# Altium PCB BDD_modul_ARM_v2.2_PCB.PcbDoc (continued)
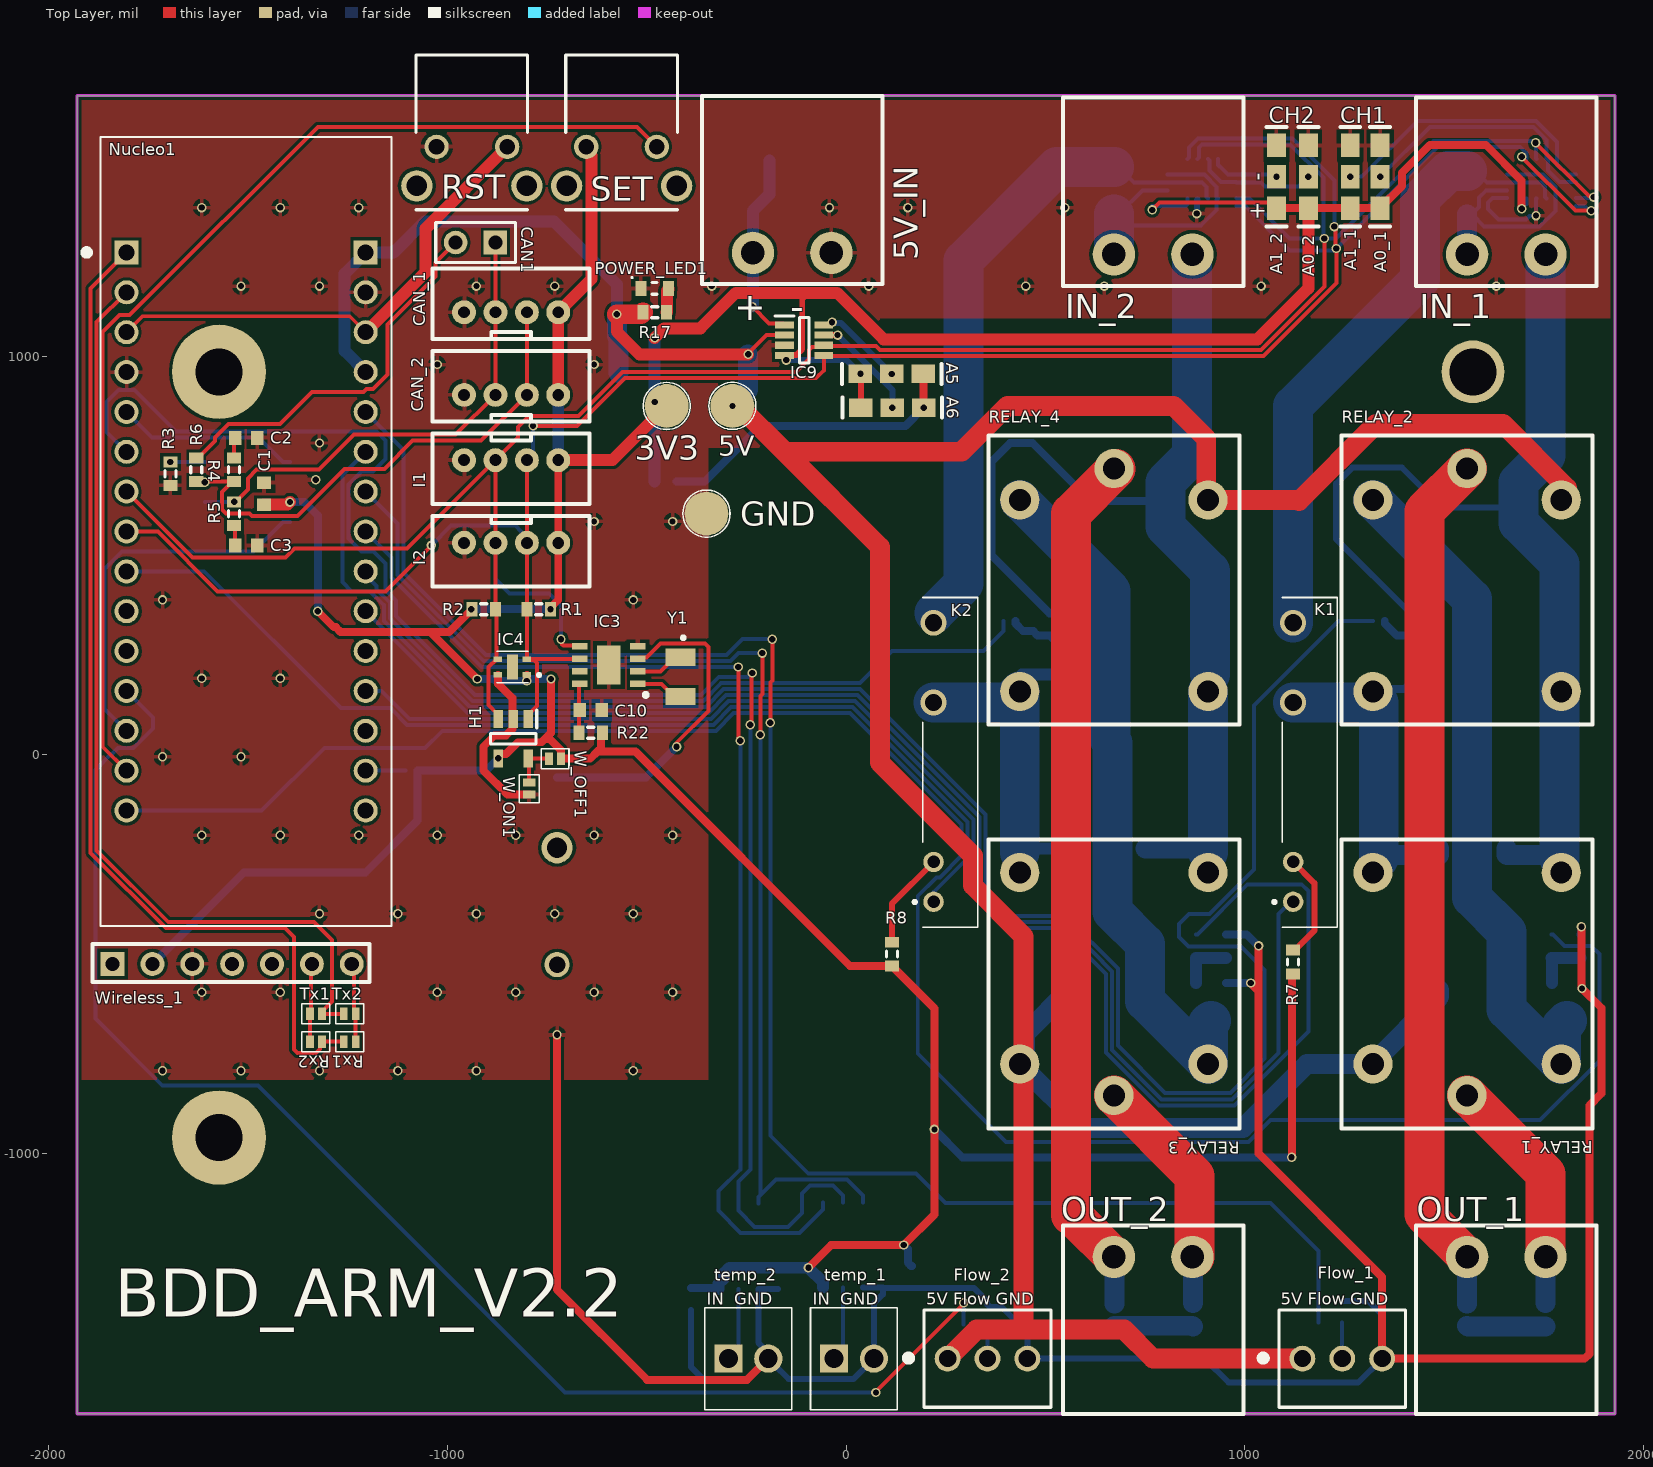
[diagram p0: Top Layer view]
## Part data
3V3 5V: library part 5015, "Undefined or Miscellaneous", Manufacturer_Name="Keystone Electronics", Mouser Part Number=534-5015, Allied_Number=70182998, Allied Price/Stock=https://www.alliedelec.com/keystone-electronics-5015/70182998/, Datasheet Link=http://www.keyelco.com/product-pdf.cfm?p=1353, Height=1.52mm, Manufacturer_Part_Number=5015, Mouser Price/Stock=https://www.mouser.com/Search/Refine.aspx?Keyword=534-5015
5V_IN IN_1 IN_2 OUT_1 OUT_2: library part CON_2CH_PLUG, "TBG-5.0-KW-2P"
A0_1 A0_2 A1_1 A1_2 A5 A6: "ADR PAD 3 PIN"
Batt_CR1: library part 1074, "Undefined or Miscellaneous", Manufacturer_Name="Keystone Electronics", Mouser Part Number=534-1074, Datasheet Link=https://componentsearchengine.com/Datasheets/1/1074.pdf, Height=18.3mm, Manufacturer_Part_Number=1074, Mouser Price/Stock=https://www.mouser.com/Search/Refine.aspx?Keyword=534-1074
C1 C2 C3 C10 C13 C14 C15 C16: library part "Cap Semi", "Capacitor (Semiconductor SIM Model)", LatestRevisionDate=29-May-2009, LatestRevisionNote="IPC-7351 Footprint Added.", PackageDescription="Chip Capacitor", PackageReference=C1206, Published=8-Jun-2000, Publisher="Altium Limited"
C4: library part TAJA106K004RNJ, "Capacitor Polarised", Manufacturer_Name=AVX, Mouser Part Number=581-TAJA106K004R, Datasheet Link=http://www.farnell.com/datasheets/1680476.pdf, Height=1.8mm, Manufacturer_Part_Number=TAJA106K004RNJ, Mouser Price/Stock=https://www.mouser.com/Search/Refine.aspx?Keyword=581-TAJA106K004R
C5 C6 C7 C8 C9: library part "Cap Semi", "Capacitor", LatestRevisionDate=29-May-2009, LatestRevisionNote="IPC-7351 Footprint Added.", PackageDescription="Chip Capacitor", PackageReference=C1206, Published=8-Jun-2000, Publisher="Altium Limited"
CAN1: "Header, 2-Pin", LatestRevisionDate=17-Jul-2002, LatestRevisionNote="Re-released for DXP Platform.", Publisher="Altium Limited"
CAN_1 CAN_2 I1 I2: "B4B-PH-K-S"
D1 D2 D3 D4: library part D_5A_20V
Flow_1 Flow_2: library part 1725669, "3 way PCB vertical mount terminal,2.54mm 3 way PCB vertical mount terminal,2.54mm", Manufacturer_Name="Phoenix Contact", RS Part Number=2204276, Allied_Number=70054336, Allied Price/Stock=http://www.alliedelec.com/phoenix-contact-1725669/70054336/, Arrow Part Number=1725669, Arrow Price/Stock=https://www.arrow.com/en/products/1725669/phoenix-contact, Datasheet Link=http://uk.rs-online.com/web/p/products/2204276, Manufacturer_Part_Number=1725669, RS Price/Stock=http://uk.rs-online.com/web/p/products/2204276
GND: "Test Point", Manufacturer_Name="Keystone Electronics", Mouser Part Number=534-5018, Allied_Number=71078148, Allied Price/Stock=https://www.alliedelec.com/keystone-electronics-5018/71078148/, Datasheet Link=https://www.keyelco.com/product-pdf.cfm?p=1356, Height=2.29mm, Manufacturer_Part_Number=5018, Mouser Price/Stock=https://www.mouser.com/Search/Refine.aspx?Keyword=534-5018
H1: "Hardware", Manufacturer_Name=Microchip, Mouser Part Number=556-AT24C01D-STUM-T, RS Part Number=8988614, Datasheet Link=https://componentsearchengine.com/Datasheets/1/AT24C01D-STUM-T.pdf, Height=1.45mm, Manufacturer_Part_Number=AT24C01D-STUM-T, Mouser Price/Stock=https://www.mouser.com/Search/Refine.aspx?Keyword=556-AT24C01D-STUM-T, RS Price/Stock=https://uk.rs-online.com/web/p/products/8988614
IC1: "Integrated Circuit", Manufacturer_Name=Microchip, Manufacturer_Part_Number=MCP2551-I/SN, Mouser Part Number=579-MCP2551-I/SN, RS Part Number=0402904P, Allied_Number=70045403, Allied Price/Stock=http://www.alliedelec.com/microchip-technology-inc-mcp2551-i-sn/70045403/, Datasheet Link=http://docs-emea.rs-online.com/webdocs/0a78/0900766b80a78cdb.pdf, Height=1.75mm, Mouser Price/Stock=https://www.mouser.com/Search/Refine.aspx?Keyword=579-MCP2551-I%2FSN, RS Price/Stock=http://uk.rs-online.com/web/p/products/0402904P
IC2: "Integrated Circuit", Manufacturer_Name=STMicroelectronics, Mouser Part Number=511-LD1117S33, RS Part Number=7140697P, Allied_Number=70390201, Allied Price/Stock=http://www.alliedelec.com/stmicroelectronics-ld1117s33tr/70390201/, Datasheet Link=http://www.st.com/st-web-ui/static/active/en/resource/technical/document/datasheet/CD00000544.pdf, Height=1.8mm, Manufacturer_Part_Number=LD1117S33TR, Mouser Price/Stock=https://www.mouser.com/Search/Refine.aspx?Keyword=511-LD1117S33, RS Price/Stock=http://uk.rs-online.com/web/p/products/7140697P
IC3: "Integrated Circuit", Manufacturer_Name=Nexperia, Manufacturer_Part_Number=PCF8523TK/1,118, Mouser Part Number=771-PCF8523TK/1118, Datasheet Link=https://www.arrow.com/en/products/pcf8523tk1118/nxp-semiconductors, Height=1mm, Mouser Price/Stock=https://www.mouser.com/Search/Refine.aspx?Keyword=771-PCF8523TK%2F1118
IC4: "Integrated Circuit", Manufacturer_Name=Sensirion, Mouser Part Number=403-SHTC3, Datasheet Link=https://www.glynshop.com/erp/owweb/Daten/Datenblaetter/Sensirion/SHTC3.pdf, Height=0mm, Manufacturer_Part_Number=SHTC3, Mouser Price/Stock=https://www.mouser.com/Search/Refine.aspx?Keyword=403-SHTC3
IC5 IC6 IC9: library part INA219BIDCNR, "Integrated Circuit", Manufacturer_Name="Texas Instruments", Mouser Part Number=595-INA219BIDCNR, Datasheet Link=http://www.ti.com/lit/ds/symlink/ina219.pdf, Height=1.45mm, Manufacturer_Part_Number=INA219BIDCNR, Mouser Price/Stock=https://www.mouser.com/Search/Refine.aspx?Keyword=595-INA219BIDCNR
IC7 IC8: "Integrated Circuit", Manufacturer_Name="Maxim Integrated", Mouser Part Number=N/A, Datasheet Link=http://datasheets.maximintegrated.com/en/ds/MAX6675.pdf, Height=1.75mm, Manufacturer_Part_Number=MAX6675ISA, Mouser Price/Stock=https://www.mouser.com/Search/Refine.aspx?Keyword=N%2FA
IC10 IC11: "Integrated Circuit", Manufacturer_Name="Texas Instruments", Mouser Part Number=595-INA226AIDGSR, Arrow Part Number=INA226AIDGSR, Arrow Price/Stock=https://www.arrow.com/en/products/ina226aidgsr/texas-instruments, Datasheet Link=https://componentsearchengine.com/Datasheets/1/INA226AIDGSR.pdf, Height=1.1mm, Manufacturer_Part_Number=INA226AIDGSR, Mouser Price/Stock=https://www.mouser.co.uk/ProductDetail/Texas-Instruments/INA226AIDGSR?qs=tQG3bEuiOZD4quG3egR36g%3D%3D
K1 K2: "Relay or Contactor", Manufacturer_Name=Panasonic, Mouser Part Number=769-AQZ102, Arrow Part Number=AQZ102, Arrow Price/Stock=https://www.arrow.com/en/products/aqz102/panasonic, Datasheet Link=https://industrial.panasonic.com/ac/cdn/e/control/relay/photomos/catalog/semi_eng_pwr1a_aqz10_20.pdf, Height=11mm, Manufacturer_Part_Number=AQZ102, Mouser Price/Stock=https://www.mouser.co.uk/ProductDetail/Panasonic-Industrial-Devices/AQZ102?qs=tR16lFwwUU%2FVYpsj8M3w%252BA%3D%3D
M1 M2: Supplier Part Number 1=1857299, Supplier 1=Farnell
Nucleo1: "STM32 Nucleo-32 development board with STM32F303K8T6 MCU, supports Arduino connectivity", Package=None, Availability=Unavailable, MF=STMicroelectronics, MP=NUCLEO-F303K8, Price=None, SnapEDA_Link=https://www.snapeda.com/parts/NUCLEO-F303K8/STMicroelectronics/view-part/?ref=snap
R1 R2 R3 R4 R5 R6 R7 R8 R9 R10 R11 R12 R13 R14 R15 R17 R22 R23 R24 R25 R26 R27 R28 R29 R30 R31 R32: library part Res3, "Resistor", LatestRevisionDate=29-May-2009, LatestRevisionNote="IPC-7351 Footprint Added.", PackageDescription="Chip Resistor", PackageReference=J1-0603, Published=8-Jun-2000, Publisher="Altium Limited"
RELAY_1 RELAY_2 RELAY_3 RELAY_4: "RM51-3011-85-1005"
RST SET: "Switch", Manufacturer_Name="TE Connectivity", Manufacturer_Part_Number=1825027-8, Mouser Part Number=506-1825027-8, RS Part Number=7182389P, Datasheet Link=http://www.te.com/commerce/DocumentDelivery/DDEController?Action=srchrtrv&DocNm=1825027&DocType=Customer+Drawing&DocLang=English, Mouser Price/Stock=https://www.mouser.com/Search/Refine.aspx?Keyword=506-1825027-8, RS Price/Stock=http://uk.rs-online.com/web/p/products/7182389P
temp_1 temp_2: "2 way PCB vertical mount terminal,2.54mm 2 way PCB vertical mount terminal,2.54mm", Manufacturer_Name="Phoenix Contact", RS Part Number=2204260, Allied_Number=70054335, Allied Price/Stock=http://www.alliedelec.com/phoenix-contact-1725656/70054335/, Arrow Part Number=1725656, Arrow Price/Stock=https://www.arrow.com/en/products/1725656/phoenix-contact, Datasheet Link=https://www.phoenixcontact.com/online/portal/gb?uri=pxc-oc-itemdetail:pid=1725656&library=gben&tab=1, Geometry.Height=8mm, Manufacturer_Part_Number=1725656, RS Price/Stock=http://uk.rs-online.com/web/p/products/2204260
Wireless_1: library part Wireless
Y1: "Crystal or Oscillator", Manufacturer_Name=ABRACON, Mouser Part Number=815-ABS0712032.768KT, RS Part Number=1712688P, Datasheet Link=http://www.abracon.com/Resonators/ABS07-120-32.768kHz-T.pdf, Manufacturer_Part_Number=ABS07-120-32.768KHZ-T, Mouser Price/Stock=https://www.mouser.com/Search/Refine.aspx?Keyword=815-ABS0712032.768KT, RS Price/Stock=http://uk.rs-online.com/web/p/products/1712688P

## Free pads (board coordinates)
  round 236.22 hole 118.11: 9(-1572.83,-960.63) 9(-1572.83,960.63)
  round 157.48 hole 118.11: 9(1572.83,960.63)

## Via types
v1: diameter 23.62, hole 15.75, Top Layer to Bottom Layer, tented both sides, 114 vias
v2: diameter 39.37, hole 31.5, Top Layer to Bottom Layer, tented both sides, 4 vias
v3: diameter 64.96, hole 43.31, Top Layer to Bottom Layer, tented both sides, 4 vias
v4: diameter 55.12, hole 51.18, Top Layer to Bottom Layer, tented both sides, 4 vias
v5: diameter 47.24, hole 39.37, Top Layer to Bottom Layer, tented both sides, 4 vias

## Nets (pads, with @x,y where several pads share a name; then routed paths per layer and width w, separated by ;. In a path a pad name is that pad's centre, name@x,y a point inside that pad or via, vN(x,y) a via of type N, cw(c..) or ccw(c..) an arc to the next point about the centre after c; other vN are vias at no path point)
3V3: 1.2 3V3.1 A0_1.3 A0_2.3 A1_1.3 A1_2.3 A5.3 A6.3 C1.1 C4.1 C5.1 C6.1 C7.1 C8.1 C15.2 C16.2 CAN_1.4 CAN_2.4 H1.4 I1.1 I2.1 IC1.3 IC2.2 IC4.1 IC5.4 IC6.4 IC7.4 IC8.4 IC9.4 IC10.6 IC11.6 R1.2 R2.2 R7.1 R8.1 R22.1 SET.2 W_OFF1.2 Wireless_1.2 | length 12592
  Top Layer w10: v1(-940,365) R2.2 ; R1.2@-741.57,361.06 v1(-741.57,365) ; v1(768.09,1366.83) 786.26,1385 1066.26,1385 A1_2.3
  Top Layer w15: v1(-150,990) -154.21,994.21 IC9.4 -152.85,1002.97 -124.22,1002.97 -109.78,1017.41 -109.78,1143.96 -95,1158.74 ; v1(36.26,955.63) 37.52,954.37 A6.3
  Top Layer w20: v1(-1325,360) -1285,320 -1280,320 -1267.99,307.99 -1042.99,307.99 ; R2.2 -938.43,361.06 -942.2,357.28 -946.14,357.28 -995.43,307.99 -1042.99,307.99 ; v1(-925,190) -1042.99,307.99 ; v1(-872.4,-9.21) -872.4,1.61 -852.89,1.61 -823.21,31.3 -763.7,31.3 -755,40 ; v1(-800.63,185) IC4.1 ; v1(-741.57,365) -741.57,368.94 -721.89,388.62 I2.1 I1.1 ; v1(-740,190) -740,55 -755,40 ; R22.1 -614.25,51.22 -614.25,17.46 -623.36,8.36 ; v1(-94.21,-1287.11) -37.11,-1230 v1(145,-1230) 221.85,-1153.15 v1(221.85,-940) 221.85,-636.38 122.72,-537.24 122.72,-533.31 118.94,-529.53 R8.1 9.53,-529.53 -528.36,8.36 -623.36,8.36 ; A1_2.3 A0_2.3 A1_1.3 A0_1.3 1395,1426.26 1395,1460 1465,1530 1605,1530 1695,1440 v1(1695,1370) ; v1(1117.91,-1010) 1118.61,-1009.31 1118.61,-552.77 R7.1 ; -755,40 -744.13,40 -715.16,11.03 -715.16,-9.84 W_OFF1.2 -641.72,-10 -623.36,8.36
  Top Layer w30: C1.1 -1459.25,628.19 -1400.69,628.19 v1(-1395,633.88) ; I1.1 -586.12,738.88 3V3.1 ; CAN_2.4 CAN_1.4 -638.74,1193.15 -638.74,1503.77 -651.57,1516.6 v5(-651.57,1525) ; v1(-480,1045.98) -456.57,1069.41 -365.59,1069.41 -276.26,1158.74 -95,1158.74 -22.38,1158.74 94.27,1042.09 1032.09,1042.09 1160,1170 A0_2.3
  Bottom Layer w10: v1(768.09,1366.83) 768.09,1376.42 IC11.6 852.01,1376.42 856.61,1381.02 IC6.4 ; v1(1695,1370) 1706.61,1381.61 IC5.4
  Bottom Layer w15: v1(-150,990) 1.89,990 v1(36.26,955.63)
  Bottom Layer w20: Wireless_1.2 -1510,-295 -1205,-295 -1075,-165 1.2 -903.19,-40 v1(-872.4,-9.21) ; v1(-1395,633.88) -1358.88,633.88 -1325,600 v1(-1325,360) ; v1(-940,365) v1(-741.57,365) ; v1(-925,190) -883.19,190 -878.19,185 v1(-800.63,185) -799.65,185 -794.65,190 v1(-740,190) ; C16.2 -322.56,-1337.44 IC8.4 ; v1(145,-1230) 155,-1240 155,-1272.44 157.28,-1274.72 157.28,-1276.69 163.03,-1282.44 C15.2 ; v1(221.85,-940) 291.85,-1010 v1(1117.91,-1010)
  Bottom Layer w30: I1.1 CAN_2.4 ; C8.1 C5.1 C6.1 C7.1 v1(-480,885) C4.1 v1(-480,1045.98) ; IC8.4 -320,-1327.18 -305.67,-1312.85 -305.67,-1300.51 -292.27,-1287.11 v1(-94.21,-1287.11) -57.36,-1323.96 IC7.4
5V: 5V.1 C9.1 D1.1 D3.1 Flow_1.1 Flow_2.1 IC2.3 IC9.2 Nucleo1.4.1 Nucleo1.4.4 R15.1 R17.1 RELAY_1.2 RELAY_2.2 RELAY_3.2 RELAY_4.2 | length 9501.4
  Top Layer w10: v1(-245.43,1004.57) -245.43,1006.55 -199.19,1052.8 IC9.2
  Top Layer w30: v1(-575,1105) -575,1061.26 -518.31,1004.57 v1(-245.43,1004.57)
  Top Layer w50: v1(-575,1105) -514.53,1105 R17.1 ; v1(-285,875) -268.76,875 -153.76,760 ; Flow_2.1 327.5,-1442.5 445.63,-1442.5 ; Flow_1.1 770.48,-1515 697.98,-1442.5 445.63,-1442.5 ; RELAY_2.2@1809.06,669.35 1648.23,830.17 1330.17,830.17 1136.26,636.26 1133.49,639.03 RELAY_4.2 903.81,643.61 903.81,793.09 821.72,875.17 405.17,875.17 290,760 -153.76,760 ; -153.76,760 85,521.24 85,-20 318.39,-253.39 318.39,-328.39 445.63,-455.63 445.63,-1442.5
  Bottom Layer w30: Nucleo1.4.4 -1205,960.25 -1257.99,1013.24 -1257.99,1207.01 Nucleo1.4.1 -1135,1260 -1057.6,1337.4 -732.4,1337.4 -575,1180 v1(-575,1105)
  Bottom Layer w50: v1(-575,1105) -575,1050.43 IC2.3 C9.1 ; v1(-285,875) -245.43,914.57 v1(-245.43,1004.57) ; RELAY_3.2 596.77,-936.77 995.79,-936.77 1156.61,-775.95 RELAY_1.2 1321.93,-773.19 1488.19,-606.93 D1.1 ; RELAY_3.2@448.98,-773.98 448.98,-700.79 565.02,-584.74 587.2,-606.93 D3.1
5V_mer: 5V_IN.2 "micro USB1.1" IC9.1 R15.2 | length 483.6
  Top Layer w10: v1(-235,1124.06) -192.83,1081.89 -157.72,1081.89 IC9.1
  Bottom Layer w30: v1(-235,1124.06) -233.43,1125.63 5V_IN.2 -233.43,1364.44 -192.32,1405.54 -192.32,1490.28
ADR0_1: A0_1.2 IC5.7 IC10.2 | length 643.9
  Bottom Layer w10: v1(1340,1450) 1465,1575 1724.91,1575 1757.8,1542.11 IC5.7 1761.65,1490.35 1761.65,1465.26 1790.53,1436.38 1830.71,1436.38 IC10.2
ADR0_2: A0_2.2 IC6.7 IC11.2 | length 305.7
  Bottom Layer w10: IC6.7 911.65,1490.35 911.65,1465.26 940.53,1436.38 979.09,1436.38 IC11.2 1040.86,1435.47 1051.02,1425.31 1135.31,1425.31 v1(1160,1450)
ADR0_3: A6.2 IC9.7 | length 273.8
  Top Layer w15: IC9.7 v1(-21.06,1052.8)
  Bottom Layer w15: v1(-21.06,1052.8) -21.06,1052.61 116.26,915.29 v1(116.26,870.63)
ADR1_1: A1_1.2 IC5.8 IC10.1 | length 714.6
  Bottom Layer w10: v1(1265,1450) 1293.74,1450 1433.74,1590 1731.12,1590 1783.39,1537.74 1783.39,1479.45 1787.24,1475.59 1789.53,1475.59 1809.96,1455.16 IC10.1
ADR1_2: A1_2.2 IC6.8 IC11.1 | length 173.6
  Bottom Layer w10: IC6.8 933.39,1479.45 937.24,1475.59 937.91,1475.59 958.35,1455.16 IC11.1 1071.16,1455.16 1076.31,1450 v1(1080,1450)
ADR1_3: A5.2 IC9.8 | length 227.8
  Top Layer w15: IC9.8 -41.02,1078.39 -35,1084.41 v1(-35,1085)
  Bottom Layer w15: v1(-35,1085) -33.35,1083.35 -13.17,1083.35 115,955.18 v1(115,955)
BDD1_Pac_+: IC5.1 IC10.8 IC10.10 IN_1.2 R13.2 | length 672.3
  Bottom Layer w10: R13.2 R13.2@1569.96,1355.94 ; IC10.8 1657.48,1414.88 1605.09,1414.88 1588.58,1398.37 1588.58,1374.57 R13.2@1569.96,1355.94 ; IC10.10 1749.11,1455.16 1779.53,1424.74 1779.53,1395.79 1779.53,1364.62 1740.22,1325.31 1600.59,1325.31 R13.2@1569.96,1355.94
  Bottom Layer w50: IN_1.2 R13.2
BDD1_Pac_-: IC5.2 IC10.9 K1.4 R13.1 | length 1588.2
  Bottom Layer w10: R13.1 1569.96,1474.06 1608.54,1435.47 IC10.9 1743.21,1435.47 1753.94,1424.74 1753.94,1399.65 IC5.2
  Bottom Layer w100: v3(1121.85,330.94) 1121.85,874.65 1440,1192.8 1440,1393 1511.05,1464.06 R13.1@1558.15,1464.06
BDD2_Pac_+: IC6.1 IC11.8 IC11.10 IN_2.2 R14.2 | length 730.6
  Bottom Layer w10: R14.2 700.79,1327.32 890.02,1327.32 929.53,1366.83 929.53,1391.93 IC6.1 929.53,1399.65 929.53,1424.74 899.11,1455.16 IC11.10 ; R14.2@683.98,1355.94 743.82,1415.79 IC11.8
  Bottom Layer w100: IN_2.2 R14.2
BDD2_Pac_-: IC6.2 IC11.9 K2.4 R14.1 | length 1671.2
  Bottom Layer w10: R14.1 683.98,1474.06 722.56,1435.47 IC11.9 893.21,1435.47 903.94,1424.74 903.94,1399.65 IC6.2
  Bottom Layer w100: K2.4@221.85,355.94 295,429.09 295,1240 529.06,1474.06 R14.1
  other v3: 219.76,330.94
BDD_1_DUTY_CYCLE: K1.1 Nucleo1.4.10 | length 3509.1
  Bottom Layer w10: Nucleo1.4.10 -949.95,104.95 -345.3,104.95 -300.56,149.68 28.56,149.68 335,-156.75 335,-348.67 406.33,-420 543.79,-420 642.95,-519.17 642.95,-519.8 666.85,-543.7 666.85,-740.35 791.5,-865 968.79,-865 1085,-748.79 1085,-400 1115.94,-369.06 v2(1121.85,-369.06)
BDD_1_V-: D2.2 IN_1.1 R27.2 RELAY_1.4 RELAY_2.3 to_GND1.1 | length 2697.3
  Bottom Layer w15: R27.2 1416.06,354.53 1229.59,541 1229.59,680 1269.59,720 1395,720 1495,620 1648.87,620 1687.28,581.59
  Bottom Layer w50: D2.2 1657.48,-250.97 1657.87,-251.36 1790,-251.36 1799.79,-251.36 RELAY_1.4@1790,-261.15
  Bottom Layer w100: IN_1.1 1755,751.11 1687.28,683.39 1687.28,581.59 1790,478.87 1790,-251.36 RELAY_1.4@1790,-261.15
BDD_2_DUTY_CYCLE: K2.1 Nucleo1.3.9 | length 2642.9
  Bottom Layer w10: Nucleo1.3.9 -1610,460 -1267.01,117.01 -1142.99,117.01 -1100.93,74.95 -332.87,74.95 -288.14,119.68 16.13,119.68 305,-169.18 305,-259.76 219.76,-345 v2(219.76,-369.06)
BDD_2_V-: D4.2 IN_2.1 R32.2 RELAY_3.4 RELAY_4.3 to_GND2.1 | length 2671.5
  Bottom Layer w20: R32.2 511.06,354.53 365,500.59 365,735 411.43,781.43 468.42,781.43 612.95,636.9 801.3,636.9
  Bottom Layer w50: D4.2 751.5,-235.08 751.89,-235.47 908.39,-235.47 917.6,-235.47 908.39,-244.69
  Bottom Layer w100: IN_2.1 867.81,1253.79 867.81,1135 867.81,749.9 801.3,683.39 801.3,636.9 801.3,572.38 913.07,460.6 RELAY_4.3@913.07,200.94 ; 908.39,-244.69 908.39,-235.47 RELAY_4.3
Button: Nucleo1.3.14 SET.1 | length 2749.9
  Top Layer w10: Nucleo1.3.14 -1865,20 -1865,1060.8 -1822.81,1102.99 -1797.01,1102.99 -1325,1575 -524.41,1575 v5(-474.41,1525)
CAN_RX: IC1.4 Nucleo1.3.13 | length 942.5
  Bottom Layer w10: Nucleo1.3.13 -1860,115 -1860,465.8 -1815.8,510 -1486.1,510 -1412.22,583.88 IC1.4
CAN_TX: IC1.1 Nucleo1.3.5 | length 462.2
  Bottom Layer w10: Nucleo1.3.5 -1741.03,796.03 -1474.38,796.03 -1412.22,733.88 IC1.1
CANH: CAN_1.3 CAN_2.3 IC1.7 R4.2 R6.2 | length 1259.6
  Top Layer w10: v1@-1608.54,685.47 R4.2@-1538.94,685.47 ; R4.2 R4.2@-1538.94,685.47 ; CAN_1.3 CAN_2.3 -915.42,787.99 -1087.01,787.99 -1157.99,717.01 -1257.99,717.01 -1376.18,598.82 -1490.38,598.82 -1496.57,605 -1555.18,605 -1565.59,615.42 -1565.59,658.82 R4.2@-1538.94,685.47
  other v1: -1608.54,683.88
CANL: CAN1.1 CAN_1.2 CAN_2.2 IC1.6 R5.2 | length 1239.5
  Top Layer w10: v1(-1535,634.53) -1531.06,634.53 -1500.76,664.83 -1500.76,693.47 -1479.23,715 -1322.56,715 -1234.57,802.99 -979.16,802.99 CAN_2.2 CAN_1.2 CAN1.1
  Bottom Layer w10: IC1.6 -1608.22,634.2 -1535.32,634.2 v1(-1535,634.53)
CS_Termoclánok: IC7.6 IC8.6 Nucleo1.3.6 | length 4215.3
  Top Layer w10: v1(-240,75) -237.5,77.5 -237.5,202.5 v1(-235,205)
  Bottom Layer w10: Nucleo1.3.6 -1855,810 -1855,885 -1825,915 -1785,915 -1681.03,811.03 -1177.24,811.03 -1155,788.79 -1155,741.72 -1186.72,710 -1215.8,710 -1247.99,677.81 -1247.99,542.19 -1215.8,510 -1185,510 -1155,480 -1155,413.23 -1129.2,387.43 -1129.2,347.84 -931.31,149.95 -363.94,149.95 -319.2,194.68 -245.32,194.68 v1(-235,205) ; v1(-240,75) -240,-1041 -270,-1071 IC8.6 -270,-1143.68 -229.33,-1184.35 -145.66,-1184.35 -110.58,-1149.27 -110.58,-1100.58 -90.33,-1080.33 -33.03,-1080.33 -7.36,-1106 IC7.6
Flow_1: Nucleo1.4.5 R9.2 R10.1 | length 4391.8
  Top Layer w10: v1(-190,80) -190,181.35 -185,186.35 v1(-185,290)
  Bottom Layer w10: Nucleo1.4.5 -1110,765 -1110,457.43 -902.57,250 -300,250 -260,290 v1(-185,290) ; v1(-190,80) -190,-955 -94.67,-1050.33 175.33,-1050.33 250,-1125 1065,-1125 1185.47,-1245.47 R9.2 R10.1
Flow_2: Nucleo1.3.12 R11.2 R12.1 | length 3650.7
  Top Layer w10: v1(75,-1600) 75,-1597.5 295,-1377.5 v1(295,-1375)
  Bottom Layer w10: Nucleo1.3.12 -1738.74,93.74 -1738.74,65.46 -1787.19,17.01 -1825.8,17.01 -1842.81,0 -1845,0 -1882.87,-37.87 -1882.87,-662.13 -1715.35,-829.65 -1475.35,-829.65 -705,-1600 v1(75,-1600) ; R12.1 v1(295,-1375)
GND: 5V_IN.1 "micro USB1.5" A0_1.1 A0_2.1 A1_1.1 A1_2.1 A5.1 A6.1 Batt_CR1.2 C1.2 C2.2 C3.2 C4.2 C5.2 C6.2 C7.2 C8.2 C9.2 C10.2 C15.1 C16.1 CAN_1.1 CAN_2.1 Flow_1.3 Flow_2.3 GND.1 H1.2 I1.4 I2.4 IC1.2 IC2.1 IC3.4 IC3.9 IC4.4 IC5.3 IC6.3 IC7.1 IC7.2 IC8.1 IC8.2 IC9.3 IC10.7 IC11.7 M1.2 M2.2 Nucleo1.3.4 Nucleo1.4.2 POWER_LED1.2 R3.2 R9.1 R11.1 R25.2 R30.2 RST.2 temp_1.2 temp_2.2 to_GND1.2 to_GND2.2 W_ON1.1 Wireless_1.3 | length 8619.4
  Top Layer w20: IC4.4 -872.6,199.17 -872.6,177.64 -836.81,141.85 -836.81,91.02 H1.2 -836.81,87.4 -836.81,65.08 -853.19,48.7 -881.3,48.7 -910,20 -910,-39.51 -849.51,-100 W_ON1.1 ; v1(-725,-702.83) -725,-1342.17 -498.86,-1568.31 -248.31,-1568.31 temp_2.2 ; A5.1 194.37,955 194.37,871.26 v1(195,870.63) ; v1(1015.26,-572.76) 1015.26,-573.74 1035,-593.48 ; v1(1035,-479.63) 1035,-593.48 ; v1(1845,-431.46) 1845,-585 v1(1846.46,-586.46) 1895,-635 1895,-850 1865,-880 1865,-1503.28 1853.28,-1515 Flow_1.3 1345,-1310 1035,-1000 1035,-593.48
  Top Layer w50: 5V_IN.1 -36.38,1258.86 5V_IN.1@-36.38,1236.38
  Bottom Layer w10: IC10.7 1621.36,1396.1 1610.57,1385.31 1610.57,1369.03 1636.78,1342.81 1706.26,1342.81 1714.44,1350.99 1729.45,1350.99 v1(1731.1,1352.64) 1731.65,1353.19 1731.65,1395.24 IC5.3
  Bottom Layer w15: C16.1 -389.45,-1535.55 -359.19,-1565.81 -245.81,-1565.81 temp_2.2 ; IC8.1 IC8.2 -220,-1474.88 -195,-1499.88 temp_2.2 ; IC7.2 IC7.1 ; v1(880,1357.64) 881.1,1358.74 881.1,1391.64 IC6.3@882.2,1392.74 ; R9.1 1310,-1370 1345,-1405 Flow_1.3 1285,-1575 960,-1575 900,-1515 Flow_2.3 455,-1450 390.22,-1385.22 360.33,-1385.22 354.06,-1378.94 R11.1 354.06,-1371.06 320.55,-1337.56 C15.1 93.42,-1337.56 IC7.1 ; temp_2.2 -180,-1515 -180,-1530 -144.19,-1565.81 19.19,-1565.81 temp_1.2 70,-1376.63 92.64,-1354 IC7.1
  Bottom Layer w20: C8.2 -355,685 -215,825 149.37,825 v1(195,870.63) ; M2.2 v1(1015.26,-572.76) ; R30.2 1005.02,-450.47 1034.18,-479.63 v1(1035,-479.63) ; R25.2 1844.31,-449.08 1844.31,-432.15 v1(1845,-431.46)
  other v1: -1714.65,-792.8 -1517.8,-792.8 -1320.94,-792.8 -1124.09,-792.8 -927.24,-792.8 -533.54,-792.8 -1616.22,-595.94 -1419.37,-595.94 -1025.67,-595.94 -828.82,-595.94 -631.97,-595.94 -435.12,-595.94 -1320.94,-399.09 -1124.09,-399.09 -927.24,-399.09 -730.39,-399.09 -533.54,-399.09 -1616.22,-202.24 -1419.37,-202.24 -1222.52,-202.24 -1025.67,-202.24 -828.82,-202.24 -631.97,-202.24 -435.12,-202.24 -1714.65,-5.39 -1517.8,-5.39 -1616.22,191.46 -1419.37,191.46 -1714.65,388.31 -533.54,388.31 -631.97,585.16 -435.12,585.16 -1330,690 -1320.94,782.01 -1025.67,978.86 -631.97,978.86 -1517.8,1175.71 -1320.94,1175.71 -927.24,1175.71 -730.39,1175.71 -336.69,1175.71 57.01,1175.71 450.71,1175.71 647.56,1175.71 1041.26,1175.71 1631.81,1175.71 -1616.22,1372.56 -1419.37,1372.56 -1222.52,1372.56 -41.42,1372.56 155.43,1372.56 549.13,1372.56
  other v5: -1027.17,1525
IN+_BDD_1: D2.1 K1.3 R26.1 RELAY_1.3 RELAY_2.4 | length 943.6
  Bottom Layer w20: RELAY_2.4 1327.54,164.33 1401.14,164.33 1437.28,200.47 R26.1
  Bottom Layer w50: RELAY_1.3@1336.61,-260.63 1345.88,-251.36 1487.79,-251.36 1488.19,-250.97 D2.1
  Bottom Layer w100: v3(1121.85,130.94) RELAY_2.4@1321.93,130.94 ; RELAY_1.3@1336.61,-260.63 1336.61,-90.94 RELAY_2.4@1336.61,130.94
IN+_BDD_2: D4.1 K2.3 R31.1 RELAY_3.3 RELAY_4.4 | length 901.9
  Bottom Layer w30: 435.94,-245.63 446.1,-235.47 581.73,-235.47 D4.1 ; RELAY_4.4@440.87,200.71 559.76,200.71 R31.1
  Bottom Layer w100: v3(219.76,130.94) 408.17,130.94 RELAY_4.4 435.94,-245.63
Measuring_voltage_1: 7.2 Nucleo1.4.6 | length 5062.9
  Bottom Layer w10: Nucleo1.4.6 -1262.99,702.01 -1262.99,432.99 -1240,410 -1194.2,410 -1159.2,375 -1159.2,335.41 -943.74,119.95 -351.51,119.95 -306.78,164.68 34.77,164.68 350,-150.54 350,-342.46 412.54,-405 550,-405 681.85,-536.85 681.85,-729.88 800.46,-848.49 964.08,-848.49 1050,-762.57 1050,-540 991.11,-481.11 858.89,-481.11 835,-457.22 835,-424.31 860.21,-399.09 912.05,-399.09 1023.02,-288.13 1023.02,123.02 1235,335 7.2
Measuring_voltage_2: 8.2 Nucleo1.4.9 | length 1865.4
  Bottom Layer w10: Nucleo1.4.9 -1205,450.22 -1177.99,423.21 -1177.99,415 -1144.2,381.21 -1144.2,341.63 -937.52,134.95 -357.72,134.95 -312.99,179.68 34.68,179.68 115.75,260.75 345,260.75 395,310.75 8.2
MISO_term: IC7.7 IC8.7 Nucleo1.4.7 | length 2948.2
  Top Layer w10: v1(-215,50) -215,147.13 -210,152.13 v1(-210,255)
  Bottom Layer w10: Nucleo1.4.7 -1125,580 -1125,451.21 -908.79,235 -289.91,235 -269.91,255 v1(-210,255) ; IC8.7 -220,-1109.23 IC8.7@-215,-1104.23 ; v1(-215,50) IC8.7@-215,-1104.23 ; IC7.7 42.64,-1106 1.97,-1065.33 -176.1,-1065.33 IC8.7@-215,-1104.23
NC: Nucleo1.3.10 Nucleo1.3.11
Net1_1: 1.1 Nucleo1.4.14 | length 100
  Bottom Layer w10: Nucleo1.4.14 1.1
Net7_1: 7.1 R26.2 R27.1 | length 167.9
  Bottom Layer w20: 7.1 1351.61,329.41 1381.77,299.25 1416.22,299.25 R27.1 1423.94,295.47 1456.1,263.31 1481.22,263.31 R26.2
Net8_1: 8.1 R31.2 R32.1 | length 163.8
  Bottom Layer w20: 8.1 425,329.41 444.41,310 470,310 480.75,299.25 511.22,299.25 R32.1 550.47,260 R31.2@554.41,260
NetBatt_CR1_1: Batt_CR1.1 IC3.3 | length 811.6
  Top Layer w10: IC3.3 -519.29,243.62 -500.39,243.62 -465.28,278.74 -353.74,278.74 -345,270 -345,110 -425,30 v1(-425,20)
  Bottom Layer w20: Batt_CR1.1 -502.17,-57.17 v1(-425,20)
NetC2_1: C2.1 R4.1 | length 51.5
  Top Layer w10: R4.1 -1535,792.56 C2.1
NetC3_1: C3.1 R5.1 | length 51.5
  Top Layer w10: R5.1 -1532.56,573.03 C3.1
NetC10_1: C10.1 IC3.8 R22.2 | length 123.5
  Top Layer w10: R22.2 -669.53,176.06 IC3.8
NetC13_1: C13.1 R23.2 | length 197.7
  Bottom Layer w50: C13.1 1560.12,-1434.53 R23.2
NetC14_1: C14.1 R28.2 | length 197.7
  Bottom Layer w50: C14.1 868.31,-1432.56 R28.2
NetCAN1_2: CAN1.2 R6.1 | length 973.4
  Top Layer w10: R6.1 -1626.06,744.53 -1583.43,787.16 -1583.43,795.8 -1549.58,829.65 -1419.97,829.65 -1339.62,910 -1210,910 -1202.99,917.01 -1187.19,917.01 -1149.82,954.38 -1149.82,1079.82 -1030,1199.64 -1030,1234.37 CAN1.2
NetFlow_1_2: Flow_1.2 R10.2 | length 90.2
  Bottom Layer w10: R10.2 1244.76,-1425.24 1244.76,-1514.76 Flow_1.2
NetFlow_2_2: Flow_2.2 R12.2 | length 85.4
  Bottom Layer w10: R12.2 354.53,-1430.47 354.53,-1514.53 Flow_2.2
NetIC1_8: IC1.8 R3.1 | length 86.7
  Bottom Layer w10: v1(-1695,734.53) -1694.68,734.2 -1608.87,734.2 IC1.8
NetIC3_1: IC3.1 Y1.2 | length 120.4
  Top Layer w10: IC3.1 -462.72,177.76 -430.75,145.79 Y1.2
NetIC3_2: IC3.2 Y1.1 | length 121.6
  Top Layer w10: IC3.2 -465.71,209.25 -430.75,244.21 Y1.1
NetIC7_3: IC7.3 temp_1.1 | length 187.6
  Bottom Layer w10: temp_1.1 -7.36,-1492.36 IC7.3
NetIC8_3: IC8.3 temp_2.1 | length 185.4
  Bottom Layer w10: temp_2.1 -270,-1490 IC8.3
NetK1_2: K1.2 R7.2 | length 267.8
  Top Layer w15: R7.2 1125.79,-490.47 1175,-441.26 1175,-322.2 v2(1121.85,-269.06)
NetK2_2: K2.2 R8.2 | length 244.8
  Top Layer w15: R8.2 115,-373.82 v2(219.76,-269.06)
NetM1_1: M1.1 R24.2 R25.1 | length 136.8
  Bottom Layer w30: M1.1 1770.83,-571.93 1770.83,-510.35 R24.2 R25.1
NetM2_1: M2.1 R29.2 R30.1 | length 138
  Bottom Layer w30: M2.1 R29.2 R30.1
NetPOWER_LED1_1: POWER_LED1.1 R17.2 | length 62
  Top Layer w30: R17.2 -449.25,1111.22 -449.25,1163.82 -445.55,1167.52 POWER_LED1.1
NetRx1_1: Rx1.1 Tx2.2 Wireless_1.7 | length 199.1
  Top Layer w10: Wireless_1.7 -1234.84,-530.16 -1234.84,-645.16 Tx2.2 Rx1.1
NetRx2_2: Rx2.2 Tx1.1 Wireless_1.6 | length 197.1
  Top Layer w10: Rx2.2 Tx1.1 -1342.5,-647.5 -1342.5,-527.5 Wireless_1.6
NRST: Nucleo1.3.3 Nucleo1.4.3 RST.1 | length 1245.2
  Top Layer w10: Nucleo1.3.3 -1765,1100 -1245,1100 Nucleo1.4.3
  Top Layer w30: Nucleo1.4.3 -1055,1210 -1055,1320 v5(-850,1525)
OUT_1_BDD_1: OUT_1.2 R23.1 RELAY_1.1 | length 602.3
  Top Layer w100: RELAY_1.1 1755,-1051.54 OUT_1.2
  Bottom Layer w50: R23.1 OUT_1.2
OUT_1_BDD_2: OUT_2.2 R28.1 RELAY_3.1 | length 604.9
  Top Layer w100: RELAY_3.1 874.02,-1056.54 OUT_2.2@874.02,-1260
  Bottom Layer w50: OUT_2.2 870.28,-1261.26 R28.1
OUT_2_BDD_1: C13.2 OUT_1.1 RELAY_2.1 | length 2183.9
  Top Layer w100: OUT_1.1 1451.06,-1152.91 1451.06,610.69 RELAY_2.1
  Bottom Layer w50: C13.2 OUT_1.1
OUT_2_BDD_2: C14.2 OUT_2.1 RELAY_4.1 | length 2166.9
  Top Layer w100: 564.76,-1155 564.76,604.76 RELAY_4.1@676.85,716.85 ; 579.76,-1167.6 OUT_2.1
  Bottom Layer w50: OUT_2.1 673.43,-1261.26 C14.2
Polarity_BDD_1: Nucleo1.3.15 R24.1 | length 5232.5
  Bottom Layer w10: Nucleo1.3.15 -1465.8,-140 -1308.79,17.01 -1055.84,17.01 -1012.9,59.95 -326.66,59.95 -281.92,104.68 9.92,104.68 290,-175.39 290,-253.22 235.7,-307.52 226.9,-307.52 180,-354.42 180,-750 401.77,-971.77 1010.28,-971.77 1065.28,-916.77 1741.35,-916.77 1890,-768.12 1890,-500 1869.63,-479.63 1803.09,-479.63 1773.94,-450.47 R24.1
Polarity_BDD_2: Nucleo1.4.12 R29.1 | length 3831.3
  Bottom Layer w10: Nucleo1.4.12 -1164.77,160 -1094.72,89.95 -339.08,89.95 -294.35,134.68 22.35,134.68 320,-162.97 320,-354.88 400.12,-435 536.94,-435 651.85,-549.91 651.85,-746.57 785.28,-880 975,-880 1160.31,-694.68 1160.31,-342.46 1142.86,-325 1007.36,-325 881.89,-450.47 R29.1
RELE_1: D1.2 M1.3 RELAY_1.5 RELAY_2.5 | length 1725.5
  Bottom Layer w100: RELAY_2.5 1570.67,390.29 1570.67,-358.19 1657.48,-445 1657.48,-639.06 RELAY_1.5 1794.37,-681.93 M1.3
RELE_2: D3.2 M2.3 RELAY_3.5 RELAY_4.5 | length 1722.3
  Bottom Layer w100: RELAY_4.5 664.02,410.96 664.02,34.43 669.02,29.43 669.02,-394.02 750,-475 750,-617.56 RELAY_3.5 908.39,-674.21 M2.3
RX_wireless_1: Nucleo1.3.1 Rx1.2 Rx2.1 | length 2572.2
  Top Layer w10: Nucleo1.3.1 -1895,1170 -1895,-246.48 -1706.48,-435 -1407.43,-435 -1385,-457.43 -1385,-740 -1376.38,-748.62 -1329.82,-748.62 -1319.84,-738.64 -1319.84,-724.84 Rx2.1 Rx1.2
SCK: Nucleo1.4.15
SCK_term: IC7.5 IC8.5 Nucleo1.4.8 | length 2821
  Top Layer w10: v1(-270,220) -270,40 v1(-265,35)
  Bottom Layer w10: Nucleo1.4.8 -1140,495 -1140,445 -915,220 v1(-270,220) ; v1(-265,35) -265,-1040 -320,-1095 IC8.5 -320,-1143.68 -264.33,-1199.35 -116.26,-1199.35 -57.36,-1140.45 IC7.5
SCL: H1.1 I1.2 I2.2 IC3.6 IC4.2 IC5.5 IC6.5 IC9.5 IC10.5 IC11.5 Nucleo1.3.8 R1.1 | length 6102.2
  Top Layer w10: Nucleo1.3.8 -1726.21,560 -1576.21,410 -1155,410 v1(-1040,525) ; R1.1 I2.2 I1.2 ; IC4.2 R1.1 ; H1.1 -797.6,100.04 -775,122.64 -775,230 -782.48,237.48 -798.7,237.48 IC4.2 -799.9,240.06 -668.52,240.06 IC3.6 ; v1(-785,825) -675,825 -555,945 -75,945 -55.79,964.21 IC9.5 -54.78,1000.61 1047.18,1000.61 1230,1183.43 v1(1230,1270) 1227.5,1272.5 1227.5,1322.5 v1(1225,1325) ; v1(1695,1500) 1830,1365 v1(1870,1365)
  Bottom Layer w10: v1(-1040,525) -990.46,574.54 -829.54,574.54 -815,560 ; I1.2 -785,754.51 v1(-785,825) ; IC6.5 860.47,1498.07 860.47,1523.17 883.01,1545.71 1120.41,1545.71 1225,1441.12 v1(1225,1325) ; IC11.5 1001.65,1376.42 1112.76,1265.31 1221.63,1265.31 1226.31,1270 v1(1230,1270) 1484.06,1524.06 1691.54,1524.06 1706.61,1508.98 1706.61,1500 1706.61,1496.14 1702.76,1500 v1(1695,1500) ; IC10.5 1853.27,1376.42 v1@1862.08,1367.61
SDA: H1.3 I1.3 I2.3 IC3.5 IC4.3 IC5.6 IC6.6 IC9.6 IC10.4 IC11.4 Nucleo1.3.7 R2.1 | length 6327.8
  Top Layer w10: Nucleo1.3.7 -1639.41,494.41 -1406.28,494.41 -1383.68,517.01 -1101.24,517.01 I1.3 ; IC4.3 IC4.3@-874.51,239.37 ; H1.3 -872.4,100.04 -897.13,124.76 -897.13,219.61 -877.36,239.37 IC4.3@-874.51,239.37 ; v1(-715,290) -712.39,287.39 -712.39,276.87 -709.14,273.62 -669.21,273.62 IC3.5 ; v1(1200,1295) 1200,1174.64 1040.96,1015.61 85.4,1015.61 75.26,1025.75 -54.33,1025.75 IC9.6 -59.65,1023.35 -84.74,1023.35 -92.28,1015.81 -92.28,992.66 -124.94,960 -561.21,960 -671.53,849.68 -795.22,849.68 -822.94,821.97 -822.94,795.32 I1.3 ; v1(1730,1535) 1863.46,1401.54 1873.46,1401.54 v1(1876.06,1398.94) ; I1.3 I2.3 R2.1 -876.4,362.03 -876.4,241.26 IC4.3@-874.51,239.37
  Bottom Layer w10: I2.3 -879.37,440.58 -843.79,405 -745.2,405 -715,374.8 v1(-715,290) ; IC6.6 886.06,1498.07 886.06,1523.17 893.6,1530.71 1114.2,1530.71 1197.39,1447.52 1197.39,1297.61 v1(1200,1295) ; IC11.4 980.91,1395.2 1012.89,1395.2 1113.09,1295 v1(1200,1295) ; v1@1723.26,1538.86 1723.06,1539.06 1473.96,1539.06 1229.59,1294.69 1204.47,1294.69 1202.39,1292.61 v1(1200,1295) ; v1(1730,1535) 1731.1,1533.9 1731.1,1495.31 IC5.6 ; IC10.4 1832.52,1397.01 1874.14,1397.01 v1(1876.06,1398.94)
TX_wireless_1: Nucleo1.3.2 Tx1.2 Tx2.1 | length 2364.8
  Top Layer w10: Nucleo1.3.2 -1880,1085 -1880,-240.27 -1700.27,-420 -1335,-420 -1290,-465 -1290,-619.09 -1315,-644.09 Tx1.2 Tx2.1
WP: H1.5 W_OFF1.1 W_ON1.2 | length 112.9
  Top Layer w10: H1.5 -796.81,-10 H1.5@-795,-10 ; W_ON1.2 H1.5@-795,-10 ; W_OFF1.1 H1.5@-795,-10
pads on no net: "micro USB1.2" "micro USB1.3" "micro USB1.4" "micro USB1.SH1" "micro USB1.SH2" "micro USB1.SH3" "micro USB1.SH6" Batt_CR1. IC1.5 IC2.4 IC3.7 IC4.5 IC7.8 IC8.8 IC10.3 IC11.3 Nucleo1.4.11 Nucleo1.4.13 RST.3 RST.4 SET.3 SET.4 Wireless_1.1 Wireless_1.4 Wireless_1.5
copper on no net:
  other v4: -1076.57,1426.97 -800.59,1426.97 -700.98,1426.97 -425,1426.97

## Polygon pours and split planes (outlines as drawn)
GND on Bottom Layer "Bottom Layer-No Net" (solid, pour order 16): 1929.13,1653.54 -10,1653.54 -10,1095 1929.13,1095
GND on Bottom Layer "GND_Bottom" (solid, remove dead copper, pour order 12): -345,-815 -345,770 35,770 35,1653.54 -1929.13,1653.54 -1929.13,-815
GND on Top Layer "Top Layer-No Net" (solid, pour order 14): 1929.13,1653.54 40,1653.54 40,1095 1929.13,1095
GND on Top Layer "GND_Bottom" (solid, remove dead copper, pour order 8): -345,-815 -345,770 85,770 85,1653.54 -1929.13,1653.54 -1929.13,-815

## Keep-outs
Keep-Out Layer:
  the board outline again, w8

## Silkscreen, mask and mechanical layers (free items; w line width, h text height)
Top Overlay:
  text "CH2" at 1060,1584.06 h40
  text "CH1" at 1240,1584.06 h40
  text "+   -" at 1051.05,1341.02 h40 r90
  text "+  -" at -280,1090 h70
  text "IN  GND" at -348.94,-1380 h30
  text "IN  GND" at -83.94,-1380 h30
  text "5V Flow GND" at 201.06,-1380 h30
  text "5V Flow GND" at 1091.06,-1380 h30
  text "BDD_ARM_V2.2" at -1835,-1410 h120

## Text inside footprints (layer, text, board x,y; h text height)
"micro USB1": Mechanical 1 "PCB EDGE" at -375,1740 h30 r180